# Altium PCB 200330 PRECHARGE R3.PcbDoc (part 1 of 3) (continued)
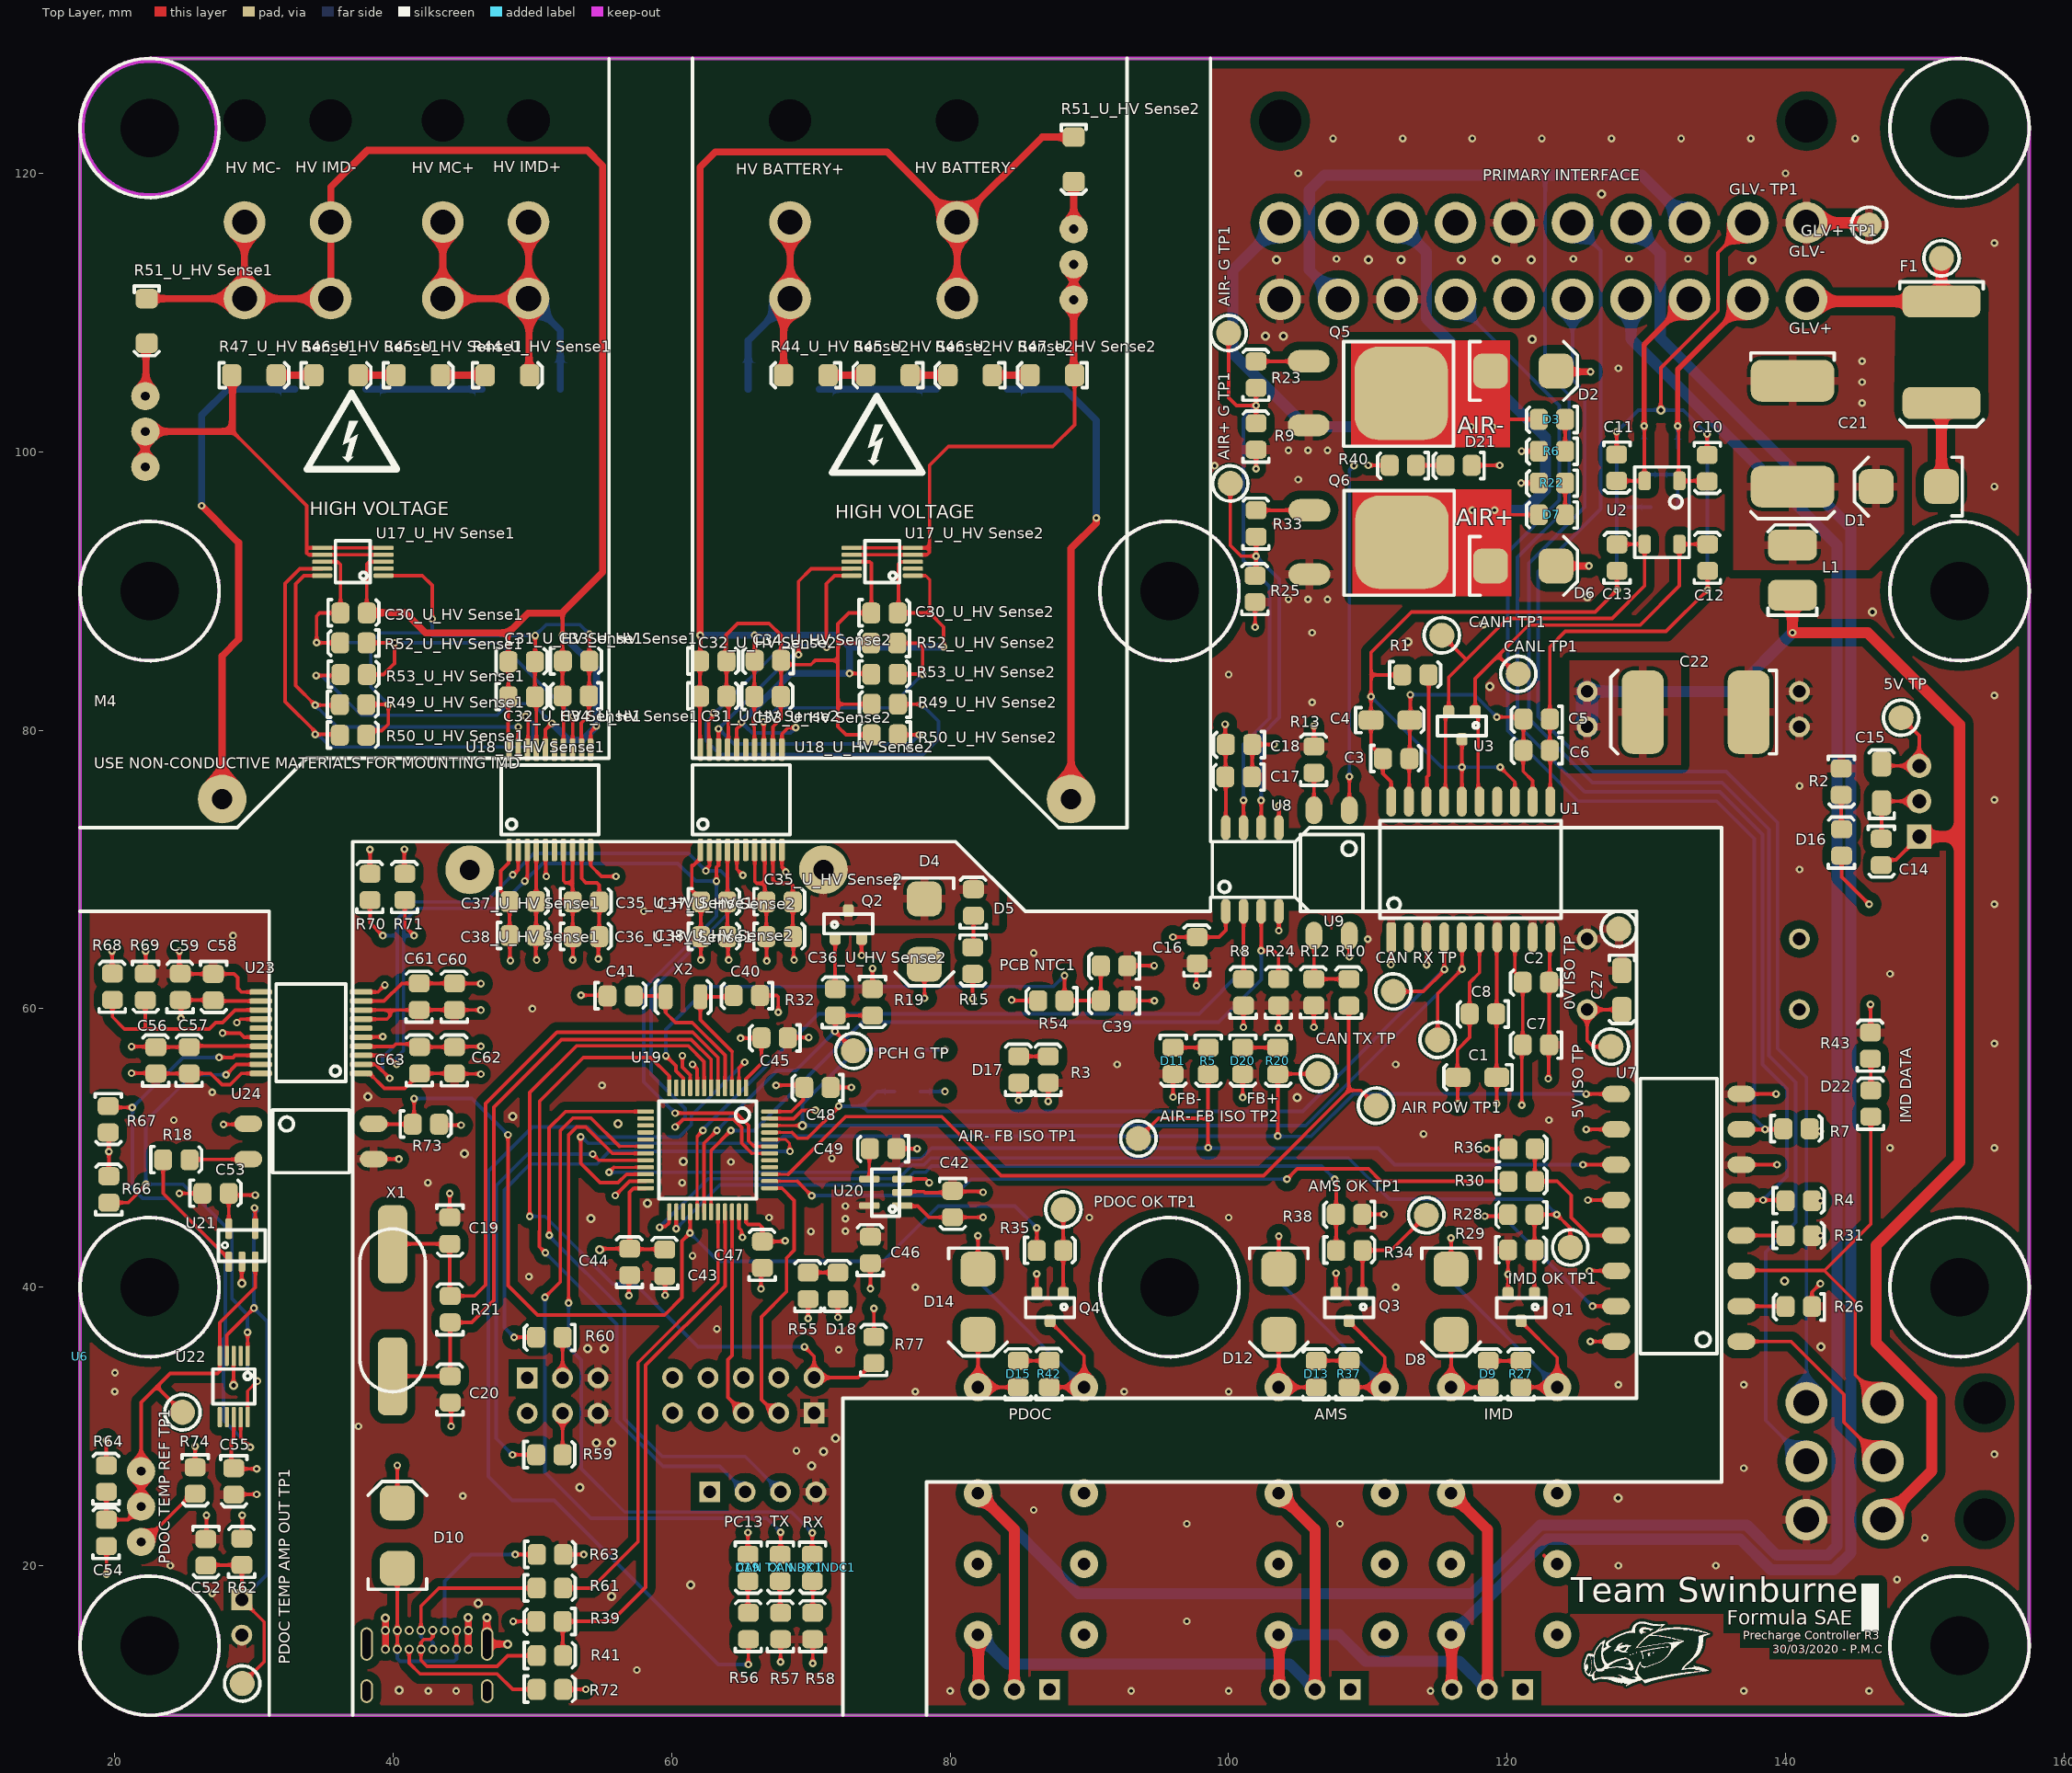
[diagram p0: Top Layer view]
## Classes and differential pairs
channel class "HV Sense": "U_HV Sense1" "U_HV Sense2"
component class "U_HV Sense2": "C30_U_HV Sense2" "C31_U_HV Sense2" "C32_U_HV Sense2" "C33_U_HV Sense2" "C34_U_HV Sense2" "C35_U_HV Sense2" "C36_U_HV Sense2" "C37_U_HV Sense2" "C38_U_HV Sense2" "R44_U_HV Sense2" "R45_U_HV Sense2" "R46_U_HV Sense2" "R47_U_HV Sense2" "R48_U_HV Sense2" "R49_U_HV Sense2" "R50_U_HV Sense2" "R51_U_HV Sense2" "R52_U_HV Sense2" "R53_U_HV Sense2" "U17_U_HV Sense2" "U18_U_HV Sense2"
component class "U_HV Sense1": "C30_U_HV Sense1" "C31_U_HV Sense1" "C32_U_HV Sense1" "C33_U_HV Sense1" "C34_U_HV Sense1" "C35_U_HV Sense1" "C36_U_HV Sense1" "C37_U_HV Sense1" "C38_U_HV Sense1" "R44_U_HV Sense1" "R45_U_HV Sense1" "R46_U_HV Sense1" "R47_U_HV Sense1" "R48_U_HV Sense1" "R49_U_HV Sense1" "R50_U_HV Sense1" "R51_U_HV Sense1" "R52_U_HV Sense1" "R53_U_HV Sense1" "U17_U_HV Sense1" "U18_U_HV Sense1"
component class U_PDOC: C52 C53 C54 C55 C56 C57 C58 C59 C60 C61 C62 C63 FTDI1 "PDOC NTC1" "PDOC TEMP AMP OUT TP1" "PDOC TEMP REF TP1" R18 R62 R64 R65 R66 R67 R68 R69 R73 R74 R81 RESET1 U21 U22 U23 U24
component class U_Microcontroller: BOOT1 C19 C20 C39 C40 C41 C42 C43 C44 C45 C46 C47 C48 C49 "CAN RX INDC1" "CAN TX INDC1" D10 D18 D19 P2 "PCB NTC1" R21 R39 R41 R54 R55 R56 R57 R58 R59 R60 R61 R63 R70 R71 R72 R75 R76 R77 R81 R82 R83 SERIAL1 STLINK1 U19 U20 X1 X2
component class "U_Safety Loops": "AMS Bypass1" "AMS OK TP1" D8 D9 D12 D13 D14 D15 D22 "IMD Bypass1" "IMD OK TP1" K1 K3 K4 "PDOC Bypass1" "PDOC OK TP1" Q1 Q3 Q4 R26 R27 R28 R29 R30 R31 R34 R35 R36 R37 R38 R42 R43 R81 R83 U7
component class U_Precharge: "AIR POW TP1" "AIR- FB ISO TP1" "AIR- FB ISO TP2" C16 C17 C18 D2 D3 D4 D5 D6 D7 D11 D20 D21 "PCH G TP" Q2 Q5 Q6 R4 R5 R6 R7 R8 R9 R10 R11 R12 R13 R14 R15 R16 R17 R19 R20 R22 R23 R24 R25 R32 R33 R40 U8 U9 U10
component class "U_Power Supply": "0V ISO TP" "5V ISO TP" "5V TP" C14 C15 C21 C22 C27 D1 D16 D17 F1 "GLV+ TP1" "GLV- TP1" L1 R2 R3 U4 U5
component class U_CAN: C1 C2 C3 C4 C5 C6 C7 C8 C9 C10 C11 C12 C13 "CAN RX TP" "CAN TERM R1" "CAN TERM R2" "CAN TX TP" "CANH TP1" "CANL TP1" R1 U1 U2 U3
component class "Top Level": "HV BATTERY+" "HV BATTERY+1" "HV BATTERY-" "HV BATTERY-1" "HV IMD+" "HV IMD+1" "HV IMD-" "HV IMD-1" "HV MC+" "HV MC+1" "HV MC-" "HV MC-1" "IMD INTERFACE1" P1 "PRIMARY INTERFACE" "PRIMARY INTERFACE1" U6
differential pair CANBUS: +CANH -CANL

## Components (designator, comment, footprint, x,y, rotation, side; value= is the part's Value field where it differs from the comment)
"0V ISO TP" "0mm" "SMD Test Point" 128.025,65.725 r90 top
"5V ISO TP" "0mm" "SMD Test Point" 127.457,57.277 r90 top
"5V TP" "0mm" "SMD Test Point" 148.3,80.9 r90 top
"AIR POW TP1" "0mm" "SMD Test Point" 110.592,53.035 r90 top
"AIR+ G TP1" "0mm" "SMD Test Point" 100.125,97.725 r90 top
"AIR- FB ISO TP1" "0mm" "SMD Test Point" 93.523,50.673 r90 top
"AIR- FB ISO TP2" "0mm" "SMD Test Point" 106.426,55.321 r90 top
"AIR- G TP1" "0mm" "SMD Test Point" 100,108.525 r90 top
"AMS Bypass1" "2.54mm" "TH 2.54mm Header 1x3" 108.742,11.1 r180 bottom
"AMS OK TP1" "0mm" "SMD Test Point" 114.198,45.161 r90 top
BOOT1 "2.54mm" "TH 2.54mm Header 2x3" 49.628,33.48 r0 bottom
C1 "10nF" 1206 116.662,55.075 r180 top
C2 "100nF" 0805 122.062,61.875 r180 top
C3 "100nF" 0805 112.049,77.987 r0 top
C4 "10nF" 1206 112.824,80.73 r0 top
C5 "10uF" 0805 122.112,80.775 r180 top
C6 "100nF" 0805 122.112,78.525 r180 top
C7 "10uF" 0805 122.062,57.375 r180 top
C8 "100nF" 0805 118.25,59.599 r180 top
C9 "22pF" 0805 131.3,96 r0 bottom
C10 "100pF" 0805 134.397,98.809 r270 top
C11 "100pF" 0805 127.897,98.847 r270 top
C12 "100pF" 0805 134.376,92.409 r90 top
C13 "100pF" 0805 127.876,92.409 r90 top
C14 "10uF" 0805 146.9,71.25 r270 top
C15 "22uF" 1206 146.9,77.375 r90 top
C16 "100nF" 0805 97.713,64.203 r90 top
C17 "100nF" 0805 100.701,76.625 r180 top
C18 "10uF" 0805 100.738,78.949 r180 top
C19 "22pF" 0805 44.09,44.043 r270 top
C20 "22pF" 0805 44.069,32.667 r90 top
C21 "68uF" 2924 140.5,101.35 r270 top
C22 "22uF" 2924 133.6,81.3 r180 top
C27 "22uF" 1206 128.245,60.144 r270 top
"C30_U_HV Sense1" "100nF" 0805 37.178,88.448 r0 top (schematic designator C30)
"C30_U_HV Sense2" "100nF" 0805 75.296,88.448 r0 top (schematic designator C30)
"C31_U_HV Sense1" "10nF" 0805 49.242,84.953 r0 top (schematic designator C31)
"C31_U_HV Sense2" "10nF" 0805 63,82.468 r0 top (schematic designator C31)
"C32_U_HV Sense1" "100nF" 0805 49.242,82.427 r0 top (schematic designator C32)
"C32_U_HV Sense2" "100nF" 0805 63,84.994 r0 top (schematic designator C32)
"C33_U_HV Sense1" "10uF" 0805 53.148,84.994 r0 top (schematic designator C33)
"C33_U_HV Sense2" "10uF" 0805 66.9,82.447 r0 top (schematic designator C33)
"C34_U_HV Sense1" "100nF" 0805 53.1,82.447 r180 top (schematic designator C34)
"C34_U_HV Sense2" "100nF" 0805 66.9,84.994 r180 top (schematic designator C34)
"C35_U_HV Sense1" "100nF" 0805 53.858,67.698 r0 top (schematic designator C35)
"C35_U_HV Sense2" "100nF" 0805 67.762,67.698 r0 top (schematic designator C35)
"C36_U_HV Sense1" "10uF" 0805 53.857,65.199 r0 top (schematic designator C36)
"C36_U_HV Sense2" "10uF" 0805 67.762,65.199 r0 top (schematic designator C36)
"C37_U_HV Sense1" "100nF" 0805 49.325,67.725 r0 top (schematic designator C37)
"C37_U_HV Sense2" "100nF" 0805 63.062,67.698 r0 top (schematic designator C37)
"C38_U_HV Sense1" "10nF" 0805 49.329,65.278 r0 top (schematic designator C38)
"C38_U_HV Sense2" "10nF" 0805 63.062,65.199 r0 top (schematic designator C38)
C39 "100nF" 0805 91.756,60.55 r180 top
C40 "22pF" 0805 65.387,60.92 r180 top
C41 "22pF" 0805 56.349,60.946 r0 top
C42 "1µF" 0805 80.2,45.958 r270 top
C43 "100nF" 0805 59.484,41.759 r90 top
C44 "1µF" 0805 56.958,41.821 r90 top
C45 "1µF" 0805 67.386,57.887 r180 top
C46 "100nF" 0805 74.248,42.682 r90 top
C47 "100nF" 0805 66.497,42.342 r90 top
C48 "100nF" 0805 70.458,54.321 r180 top
C49 "22uF" 0805 75.174,49.92 r180 top
C52 "100nF" 0805 26.568,20.949 r270 top
C53 "100nF" 0805 27.256,46.762 r0 top
C54 "100nF" 0805 19.374,22.362 r90 top
C55 "100nF" 0805 28.576,26.038 r270 top
C56 "10nF" 0805 22.93,56.303 r90 top
C57 "100nF" 0805 25.33,56.303 r90 top
C58 "10uF" 0805 27.108,61.535 r270 top
C59 "100nF" 0805 24.687,61.583 r90 top
C60 "100nF" 0805 44.379,60.881 r90 top
C61 "10uF" 0805 41.842,60.881 r90 top
C62 "100nF" 0805 44.379,56.309 r90 top
C63 "10nF" 0805 41.868,56.309 r90 top
"CAN RX INDC1" "Blue" "0805 LED" 70.129,19.823 r270 top
"CAN RX TP" "0mm" "SMD Test Point" 111.836,61.239 r90 top
"CAN TERM R1" "56R" 0805 129.871,99.347 r90 bottom
"CAN TERM R2" "56R" 0805 132.229,99.299 r270 bottom
"CAN TX INDC1" "Blue" "0805 LED" 67.819,19.823 r270 top
"CAN TX TP" "0mm" "SMD Test Point" 115.011,57.76 r90 top
"CANH TP1" "0mm" "SMD Test Point" 115.316,86.817 r0 top
"CANL TP1" "0mm" "SMD Test Point" 120.802,84.049 r0 top
D1 "SD560BTR" "SMB Diode" 150.95,97.5 r180 top
D2 "SD560BTR" "SMB Diode" 119.059,105.8 r0 top
D3 "Orange" "0805 LED" 123.209,102.3 r180 top
D4 "SD560BTR" "SMB Diode" 78.148,67.638 r270 top
D5 "Orange" "0805 LED" 81.648,67.638 r90 top
D6 "SD560BTR" "SMB Diode" 119.059,91.8 r0 top
D7 "Orange" "0805 LED" 123.209,95.45 r180 top
D8 "SD560BTR" "SMB Diode" 115.979,41.05 r270 top
D9 "Green" "0805 LED" 118.614,33.762 r90 top
D10 "SD560BTR" "SMB Diode" 40.3,20.05 r90 top
D11 "Orange" "0805 LED" 96.032,56.246 r270 top
D12 "SD560BTR" "SMB Diode" 103.607,41.05 r270 top
D13 "Green" "0805 LED" 106.264,33.762 r90 top
D14 "SD560BTR" "SMB Diode" 82,41.05 r270 top
D15 "Green" "0805 LED" 84.866,33.77 r90 top
D16 "Red" "0805 LED" 144,71.95 r90 top
D17 "Red" "0805 LED" 84.896,55.639 r90 top
D18 "Red" "0805 LED" 71.916,40.107 r90 top
D19 "Red" "0805 LED" 65.509,19.823 r270 top
D20 "Orange" "0805 LED" 101.036,56.246 r270 top
D21 "Green" "0805 LED" 116.5,99 r180 top
D22 "Orange" "0805 LED" 146.1,53.2 r90 top
F1 "0ZCF0100AF2A" 2920 151.2,110.8 r270 top
"GLV+ TP1" "0mm" "SMD Test Point" 151.2,113.9 r90 top
"GLV- TP1" "0mm" "SMD Test Point" 146,116.3 r90 top
"HV BATTERY+" "39300020" 39300020 68.507,116.5 r0 bottom locked
"HV BATTERY-" "39300020" 39300020 80.507,116.5 r0 bottom
"HV IMD+" "39300020" 39300020 49.724,116.5 r0 bottom locked
"HV IMD-" "39300020" 39300020 29.325,116.5 r0 bottom
"HV MC+" "39300020" 39300020 43.566,116.5 r0 bottom
"HV MC-" "39300020" 39300020 35.517,116.5 r0 bottom
"IMD Bypass1" "2.54mm" "TH 2.54mm Header 1x3" 121.127,11.1 r180 bottom
"IMD OK TP1" "0mm" "SMD Test Point" 124.536,42.85 r90 top
K1 "V23105A5475A201" "TI 2-DIL" 119.79,23.926 r270 bottom
K3 "V23105A5475A201" "TI 2-DIL" 107.405,23.926 r270 bottom
K4 "V23105A5475A201" "TI 2-DIL" 85.812,23.926 r270 bottom
L1 "12uH" 1812 140.5,91.5 r90 top
P1 "39300060" 39300060 147,23.3 r270 bottom locked
P2 "USB4085-GF-A" USB4085-GF-A 42.55,11.32 r180 bottom
"PCB NTC1" "10K (NTC) (B25/85 3430K)" 0805 91.756,63.05 r180 top
"PCH G TP" "0mm" "SMD Test Point" 73.05,56.972 r90 top
"PDOC Bypass1" "2.54mm" "TH 2.54mm Header 1x3" 87.149,11.1 r180 bottom
"PDOC NTC1" "2.54mm" "TH 2.54mm Header 1x2" 29.134,17.551 r270 bottom
"PDOC OK TP1" "0mm" "SMD Test Point" 88.125,45.575 r90 top
"PDOC TEMP AMP OUT TP1" "0mm" "SMD Test Point" 29.159,11.532 r90 top
"PDOC TEMP REF TP1" "0mm" "SMD Test Point" 24.867,31.013 r90 top
"PRIMARY INTERFACE" "39300200" 39300200 141.5,116.45 r0 bottom
Q1 "2N7002K" "ON SOT-23 MOSFET" 121.015,38.577 r180 top
Q2 "2N7002K" "ON SOT-23 MOSFET" 72.695,66.04 r0 top
Q3 "2N7002K" "ON SOT-23 MOSFET" 108.661,38.577 r180 top
Q4 "2N7002K" "ON SOT-23 MOSFET" 87.173,38.577 r180 top
Q5 "STD70N10F4" "STM TO-252 MOSFET" 105.75,101.9 r90 top
Q6 "STD70N10F4" "STM TO-252 MOSFET" 105.8,91.2 r90 top
R1 "0R" 0805 113.425,84 r0 top
R2 "680R" 0805 144.026,76.288 r270 top
R3 "510R" 0805 87.021,55.639 r90 top
R4 "1.5k" 0805 140.962,46.226 r0 top
R5 "1.5k" 0805 98.555,56.246 r270 top
R6 "1.5k" 0805 123.209,100.017 r180 top
R7 "1.5k" 0805 140.8,51.4 r0 top
R8 "20k" 0805 101.04,61.19 r90 top
R9 "20k" 0805 101.949,101.112 r90 top
R10 "680R" 0805 108.608,61.184 r90 top
R11 "1k" "B TO-263" 49.45,94.3 r0 bottom
R12 "20k" 0805 106.095,61.194 r90 top
R13 "1.5k" 0805 106.1,77.9 r90 top
R14 "1k" "B TO-263" 35.5,94.3 r0 bottom
R15 "1.5k" 0805 81.648,63.438 r270 top
R16 "1k" "B TO-263" 81.55,94.3 r0 bottom
R17 "1k" "B TO-263" 68.05,94.3 r0 bottom
R18 "680R" 0805 24.443,49.172 r0 top
R19 "20k" 0805 74.447,60.452 r270 top
R20 "1.5k" 0805 103.559,56.246 r270 top
R21 "10M" 0805 44.069,38.429 r90 top
R22 "1.5k" 0805 123.209,97.733 r180 top
R23 "10R" 0805 101.949,105.55 r90 top
R24 "20k" 0805 103.563,61.19 r90 top
R25 "20k" 0805 101.874,90.162 r90 top
R26 "1.5k" 0805 140.938,38.574 r180 top
R27 "680R" 0805 120.974,33.762 r90 top
R28 "680R" 0805 121.009,45.186 r180 top
R29 "20k" 0805 121.033,42.698 r0 top
R30 "680R" 0805 121.057,47.626 r0 top
R31 "1.5k" 0805 140.962,43.726 r0 top
R32 "10R" 0805 71.73,60.477 r90 top
R33 "10R" 0805 101.949,94.862 r90 top
R34 "10R" 0805 108.684,42.672 r0 top
R35 "10R" 0805 87.185,42.66 r0 top
R36 "20k" 0805 121.057,49.958 r0 top
R37 "680R" 0805 108.626,33.762 r90 top
R38 "20k" 0805 108.636,45.207 r180 top
R39 "1.5k" 0805 51.217,15.968 r180 top
R40 "1.5k" 0805 112.5,99 r180 top
R41 "20R" 0805 51.266,13.562 r0 top
R42 "680R" 0805 87.09,33.778 r90 top
R43 "1.5k" 0805 146.074,57.362 r90 top
"R44_U_HV Sense1" "330K" "VB 0204" 48.2,105.5 r0 top (schematic designator R44)
"R44_U_HV Sense2" "330K" "VB 0204" 69.64,105.5 r180 top (schematic designator R44)
"R45_U_HV Sense1" "330K" "VB 0204" 41.8,105.5 r0 top (schematic designator R45)
"R45_U_HV Sense2" "330K" "VB 0204" 75.54,105.5 r180 top (schematic designator R45)
"R46_U_HV Sense1" "330K" "VB 0204" 35.9,105.5 r0 top (schematic designator R46)
"R46_U_HV Sense2" "330K" "VB 0204" 81.44,105.5 r180 top (schematic designator R46)
"R47_U_HV Sense1" "330K" "VB 0204" 30,105.5 r0 top (schematic designator R47)
"R47_U_HV Sense2" "330K" "VB 0204" 87.34,105.5 r180 top (schematic designator R47)
"R48_U_HV Sense1" "10K (Var)" "B 3296" 21.641,101.374 r270 bottom (schematic designator R48)
"R48_U_HV Sense2" "10K (Var)" "B 3296" 88.316,113.374 r270 bottom (schematic designator R48)
"R49_U_HV Sense1" "5.6k" 0805 37.13,81.869 r0 top (schematic designator R49)
"R49_U_HV Sense2" "5.6k" 0805 75.296,81.848 r180 top (schematic designator R49)
"R50_U_HV Sense1" "5.6k" 0805 37.13,79.669 r0 top (schematic designator R50)
"R50_U_HV Sense2" "5.6k" 0805 75.296,79.648 r180 top (schematic designator R50)
"R51_U_HV Sense1" "10K" "VB 0204" 22.3,109.4 r270 top (schematic designator R51)
"R51_U_HV Sense2" "10K" "VB 0204" 88.875,121 r270 top (schematic designator R51)
"R52_U_HV Sense1" "30k" 0805 37.13,86.248 r180 top (schematic designator R52)
"R52_U_HV Sense2" "30k" 0805 75.247,86.227 r180 top (schematic designator R52)
"R53_U_HV Sense1" "10k" 0805 37.178,84.027 r0 top (schematic designator R53)
"R53_U_HV Sense2" "10k" 0805 75.296,84.048 r0 top (schematic designator R53)
R54 "10k" 0805 87.256,60.55 r180 top
R55 "510R" 0805 69.774,40.107 r90 top
R56 "510R" 0805 65.488,15.673 r90 top
R57 "680R" 0805 67.798,15.673 r90 top
R58 "680R" 0805 70.108,15.673 r90 top
R59 "10k" 0805 51.237,27.987 r0 top
R60 "10k" 0805 51.212,36.375 r180 top
R61 "20R" 0805 51.266,18.415 r0 top
R62 "2k" 0805 29.108,21.003 r90 top
R63 "5.1k" 0805 51.275,20.825 r0 top
R64 "10k" 0805 19.374,26.262 r90 top
R65 "10K (Var)" "B 3296" 21.341,24.154 r270 bottom
R66 "5.6k" 0805 19.558,47.031 r90 top
R67 "5.6k" 0805 19.558,52.045 r270 top
R68 "30k" 0805 19.812,61.595 r90 top
R69 "10k" 0805 22.225,61.547 r270 top
R70 "5.1k" 0805 38.311,68.758 r90 top
R71 "5.1k" 0805 40.811,68.758 r90 top
R72 "5.1k" 0805 51.266,11.136 r0 top
R73 "3k" 0805 42.362,51.726 r0 top
R74 "10k" 0805 25.8,26.1 r270 top
R75 "5.1k" 0805 76.95,54.029 r0 bottom
R76 "5.1k" 0805 76.95,57.029 r0 bottom
R77 "10k" 0805 74.5,35.5 r90 top
SERIAL1 "2.54mm" "TH 2.54mm Header 1x4" 62.738,25.298 r0 bottom
STLINK1 "2.54mm" "TH 2.54mm Header 2x5" 70.231,30.963 r180 bottom
U1 "ADM3053" "AD SOIC-W 20" 117.387,69.999 r0 top
U2 "B82787C0104H002" "TDK 4-PC Pad" 132.376,97.909 r270 top
U3 "NUP2105L" "ON SOT-23" 116.759,80.35 r180 top
U4 "R-78C5.0-1.0" "RECOM 3-SIP" 149.6,72.36 r90 bottom
U5 "JTC0424S05" "24-DIP Module, 7 Leads" 133.37,71.36 r270 bottom locked
U6 "BENDER IMD IR155" "BENDER IMD IR155" 17.5,35 r0 top locked
U7 "LTV-847S-TA1" "ON 16-SMD" 132.08,44.983 r90 top
U8 "ADUM3221ARZ" "AD 8-SOIC" 101.705,70 r0 top
U9 "LTV-817S-TA1" "ON 4-SMD" 107.4,69.5 r270 top
U10 "3350-1275-056" "CI SPST" 58.2,69.975 r180 bottom locked
"U17_U_HV Sense1" "ADS1115" "TI 10-VSSOP" 37.102,92.1 r180 top (schematic designator U17)
"U17_U_HV Sense2" "ADS1115" "TI 10-VSSOP" 75.125,92.1 r180 top (schematic designator U17)
"U18_U_HV Sense1" "ADM3260" "AD 20-SSOP" 51.257,75 r0 top (schematic designator U18)
"U18_U_HV Sense2" "ADM3260" "AD 20-SSOP" 64.995,75.006 r0 top (schematic designator U18)
U19 "STM32F103C8T6" "STM 48-LQFP" 62.584,49.859 r180 top
U20 "RT9193-33GB" "RICHTEK SOT-23-5" 75.563,46.858 r90 top
U21 "TS391ILT" "ON SOT-23-5" 27.569,40.859 r0 top
U22 "ADS1115" "TI 10-VSSOP" 28.55,32.868 r270 top
U23 "ADM3260" "AD 20-SSOP" 34.1,58.275 r90 top
U24 "LTV-817S-TA1" "ON 4-SMD" 34.35,50.47 r0 top
X1 "Value" "Abracon HC-49/US" 39.958,38.335 r90 top
X2 "32.768kHz" "EPSON 2-SMD" 60.813,60.858 r180 top

## Footprints (in the part's own frame and the unit in brackets; to place one, negate y for a bottom-side part, rotate by r counter-clockwise, add the part's x,y. Pads: shape width x height; smd on the part's side, far side on the other; paste and mask are expansions set on the pad)
"24-DIP Module, 7 Leads" [mm]
  round 1.5 hole 0.9: 2(-11.43,-7.62) 3(-8.89,-7.62) 9(6.35,-7.62) 11(11.43,-7.62) 14(11.43,7.62) 16(6.35,7.62) 22(-8.89,7.62) 23(-11.43,7.62)
  silkscreen extent -15.88,-10.16 15.88,10.16, body extent -15.88,-10.16 15.87,10.16, height 10.41
0805 [mm]
  rrect50% 1.3x1.5 smd: 1(-0.962,-0.026) 2(0.938,-0.026)
  silkscreen extent -1.85,-0.95 1.8,0.93, body extent -1,-0.65 1,0.66, height 0.73
"0805 LED" [mm]
  rrect50% 1.3x1.5 smd: A(-0.962,-0.026) K(0.938,-0.026)
  silkscreen extent -1.85,-0.95 1.8,0.93, body extent -1.1,-0.62 0.9,0.62, height 1
1206 [mm]
  rrect50% 1.8x1.4 smd: 1(-2.6,0) 2(0.2,0)
  silkscreen extent -3.7,-0.9 1.2,0.9, body extent -2.9,-0.9 0.5,0.9, height 1.85
1812 [mm]
  rrect50% 2.2x3.5 smd: 1(-1.8,0) 2(1.8,0)
  silkscreen extent -3.25,-1.75 3.25,1.75, body extent -2.25,-1.6 2.25,1.6, height 2.5
2920 [mm]
  rrect50% 2.3x5.6 smd: 1(0,0) 2(7.3,0)
  silkscreen extent -1.4,-3 9,3, body extent -0.34,-2.81 7.64,2.81, height 1.14
2924 [mm]
  rrect50% 3x6 smd: 1(-3.75,0) 2(3.85,0)
  silkscreen extent -5.75,-3 6.15,3, body extent -3.94,-2.81 4.04,2.81, height 1.14
39300020 [mm]
  round 3 hole 1.8: 1(0,0) 2(0,5.5)
  round 1.524 hole 3.05: ""(0,-7.3)
  body extent -2.7,-13.97 3.1,5.97, height 11.4
39300060 [mm]
  round 3 hole 1.85: 1(0,0) 2(0,5.5) 3(-4.2,0) 4(-4.2,5.5) 5(-8.4,0) 6(-8.4,5.5)
  round 1.524 hole 3.05: ""(-8.4,-7.3) ""(0,-7.3)
  body extent -11.1,-13.87 3.1,6.07, height 11.4
39300200 [mm]
  round 3 hole 1.85: 1(0,0) 2(0,5.5) 3(-4.2,0) 4(-4.2,5.5) 5(-8.4,0) 6(-8.4,5.5) 7(-12.6,0) 8(-12.6,5.5) 9(-16.8,0) 10(-16.8,5.5) 11(-21,0) 12(-21,5.5) 13(-25.2,0) 14(-25.2,5.5) 15(-29.4,0) 16(-29.4,5.5) 17(-33.6,0) 18(-33.6,5.5) 19(-37.8,0) 20(-37.8,5.5)
  round 1.524 hole 3.05: ""(-37.8,-7.3) ""(0,-7.3)
  body extent -40.5,-13.9 3.1,6.03, height 11.4
"Abracon HC-49/US" [mm]
  rrect50% 5.6x2.1 smd: 1(-4.75,0) 2(4.75,0)
  silkscreen extent -5.85,-2.35 5.85,2.35, body extent -6.35,-2.35 6.35,2.35, height 4.06
"AD 8-SOIC" [mm]
  oval 0.7x1.8 smd: 1(-1.905,-3) 2(-0.635,-3) 3(0.635,-3) 4(1.905,-3) 5(1.905,3) 6(0.635,3) 7(-0.635,3) 8(-1.905,3)
  silkscreen extent -2.87,-2 3.05,2, body extent -2.5,-3.1 2.5,3.1, height 1.76
"AD 20-SSOP" [mm]
  rrect50% 0.4x1.6 smd: 1(-2.925,-3.6) 2(-2.275,-3.6) 3(-1.625,-3.6) 4(-0.975,-3.6) 5(-0.325,-3.6) 6(0.325,-3.6) 7(0.975,-3.6) 8(1.625,-3.6) 9(2.275,-3.6) 10(2.925,-3.6) 11(2.925,3.6) 12(2.275,3.6) 13(1.625,3.6) 14(0.975,3.6) 15(0.325,3.6) 16(-0.325,3.6) 17(-0.975,3.6) 18(-1.625,3.6) 19(-2.275,3.6) 20(-2.925,3.6)
  silkscreen extent -3.5,-2.5 3.5,2.5, body extent -3.64,-3.9 3.56,3.9, height 1.2
"AD SOIC-W 20" [mil]
  rrect50% 28x85 smd: 1(-225,-192.02)
  oval 28x85 smd: 2(-175,-192.02) 3(-125,-192.02) 4(-75,-192.02) 5(-25,-192.02) 6(25,-192.02) 7(75,-192.02) 8(125,-192.02) 9(175,-192.02) 10(225,-192.02) 11(225,192.02) 12(175,191.98) 13(125,191.98) 14(75,191.98) 15(25,191.98) 16(-25,191.98) 17(-75,191.98) 18(-125,191.98) 19(-175,191.98) 20(-225,191.98)
  silkscreen extent -257,-138 256,138, body extent -260,-210 260,210, height 105
"B 3296" [mil]
  round 80 hole 25.2: 1(-103.39,-22) 2(-3.39,-22) 3(96.61,-22)
  silkscreen extent -193,-97 187,143, body extent -191,-97 184,143, height 455
"B TO-263" [mm]
  rrect50% 2x3.8 smd: 1(-2.55,-10.2) 2(2.55,-10.2)
  rrect50% 12.7x11.4 smd: ""(0,0)
  silkscreen extent -6.8,-10.56 6.75,6.1, body extent -5.19,-11.02 5.45,4.83, height 4.8
"BENDER IMD IR155" [mm]
  body extent 0,0 141.1,60
"CI SPST" [mm]
  round 3.5 hole 1.45: 1(30.48,5.08) 2(12.7,0) 3(-12.7,0) 4(-30.48,5.08)
  silkscreen extent -38.73,-8.26 38.73,13.97, body extent -38.1,-4.45 38.1,13.34, height 20.57
"EPSON 2-SMD" [mm]
  rrect50% 1x1.8 smd: 1(-1.25,0) 2(1.25,0)
  silkscreen extent -2,-1.2 2,1.2, body extent -1.5,-1 1.5,1, height 1
"ON 4-SMD" [mm] "SOP, 4-Leads, Body 3.85x4.4mm, Pitch 2.54mm, IPC Medium Density"
  oval 2x1.2 smd: 1(-4.75,1.27) 2(-4.75,-1.27) 3(4.25,-1.27) 4(4.25,1.27)
  silkscreen extent -3,-2.25 2.5,2.25, body extent -5.33,-2.3 4.83,2.3, height 4.6
"ON 16-SMD" [mm]
  oval 1.2x2 smd: 1(-8.89,-4.75) 2(-6.35,-4.75) 3(-3.81,-4.75) 4(-1.27,-4.75) 5(1.27,-4.75) 6(3.81,-4.75) 7(6.35,-4.75) 8(8.89,-4.75) 9(8.89,4.25) 10(6.35,4.25) 11(3.81,4.25) 12(1.27,4.25) 13(-1.27,4.25) 14(-3.81,4.25) 15(-6.35,4.25) 16(-8.89,4.25)
  silkscreen extent -9.75,-3 10,2.5, body extent -10,-5.33 9.84,4.83, height 4.6
"ON SOT-23" [mm] "NUP2105L"
  rrect50% 0.8x0.9 smd: 1(-0.95,-1) 2(0.95,-1) 3(0,1)
  silkscreen extent -1.75,-0.65 1.75,0.75, body extent -1.5,-1.27 1.5,1.28, height 1
"ON SOT-23 MOSFET" [mm] "NUP2105L"
  rrect50% 0.8x0.9 smd: D(0,1) G(-0.95,-1) S(0.95,-1)
  silkscreen extent -1.75,-0.65 1.75,0.75, body extent -1.5,-1.27 1.5,1.28, height 1
"ON SOT-23-5" [mil]
  rrect50% 19x58 smd: 1(24.61,38.39) 2(62.01,38.39) 3(99.41,38.39) 4(99.41,131.39) 5(24.61,131.39)
  silkscreen extent -5,39 128,128, body extent 2,27 122,145, height 57
"RECOM 3-SIP" [mm] "12 to 42 Vdc In, 9 Vdc Out"
  rect 1.75x1.75 hole 1: 1(0,0)
  round 1.75 hole 1: 2(2.54,0) 3(5.08,0)
  silkscreen extent -3.5,-2 8.5,6.5, body extent -3.26,-2.02 8.34,6.48, height 11.41
"RICHTEK SOT-23-5" [mil]
  rrect50% 19x58 smd: 1(-39.37,-39.37) 2(-1.97,-39.37) 3(35.43,-39.37) 4(35.43,53.63) 5(-39.37,53.63)
  silkscreen extent -69,-31 64,46, body extent -62,-51 58,67, height 57
"SMB Diode" [mm]
  rrect50% 2.5x2.5 smd: A(-0.25,0) K(4.45,0)
  silkscreen extent -1.75,-2.1 6,2.1, body extent -0.69,-1.97 4.9,1.97, height 2.5
"SMD Test Point" [mm]
  round 1.8 smd: 1(0,0)
  silkscreen extent -1.27,-1.27 1.27,1.27
"STM 48-LQFP" [mm]
  rrect50% 0.3x1.2 smd mask+0.05: 1(-2.75,-4.45) 2(-2.25,-4.45) 3(-1.75,-4.45) 4(-1.25,-4.45) 5(-0.75,-4.45) 6(-0.25,-4.45) 7(0.25,-4.45) 8(0.75,-4.45) 9(1.25,-4.45) 10(1.75,-4.45) 11(2.25,-4.45) 12(2.75,-4.45) 25(2.75,4.45) 26(2.25,4.45) 27(1.75,4.45) 28(1.25,4.45) 29(0.75,4.45) 30(0.25,4.45) 31(-0.25,4.45) 32(-0.75,4.45) 33(-1.25,4.45) 34(-1.75,4.45) 35(-2.25,4.45) 36(-2.75,4.45)
  rrect50% 1.2x0.3 smd mask+0.05: 13(4.45,-2.75) 14(4.45,-2.25) 15(4.45,-1.75) 16(4.45,-1.25) 17(4.45,-0.75) 18(4.45,-0.25) 19(4.45,0.25) 20(4.45,0.75) 21(4.45,1.25) 22(4.45,1.75) 23(4.45,2.25) 24(4.45,2.75) 37(-4.45,2.75) 38(-4.45,2.25) 39(-4.45,1.75) 40(-4.45,1.25) 41(-4.45,0.75) 42(-4.45,0.25) 43(-4.45,-0.25) 44(-4.45,-0.75) 45(-4.45,-1.25) 46(-4.45,-1.75) 47(-4.45,-2.25) 48(-4.45,-2.75)
  silkscreen extent -3.5,-3.5 3.5,3.5, body extent -4.6,-4.6 4.6,4.6, height 1.6
"STM TO-252 MOSFET" [mm]
  rrect50% 6.7x6.7 smd: D(2.3,-6.65)
  oval 1.6x3 smd: G(4.6,0) S(0,0)
  silkscreen extent -1.5,-10.4 6,-2.5, body extent -1.08,-9.67 5.64,0.75, height 2.39
"TDK 4-PC Pad" [mm]
  rrect50% 1.35x0.9 smd: 1(0,0) 2(0,-2.5) 3(4.55,-2.5) 4(4.55,0)
  silkscreen extent -1,-3.2 5.5,0.7, body extent -0.02,-2.82 4.48,0.38, height 2.8
"TH 2.54mm Header 1x2" [mm]
  rect 1.5x1.5 hole 0.9: 1(0,0)
  round 1.5 hole 0.9: 2(2.54,0)
  silkscreen extent -1.27,-1.27 3.81,1.27
"TH 2.54mm Header 1x3" [mm]
  rect 1.5x1.5 hole 0.9: 1(0,0)
  round 1.5 hole 0.9: 2(2.54,0) 3(5.08,0)
  silkscreen extent -1.27,-1.27 6.35,1.27
"TH 2.54mm Header 1x4" [mm]
  rect 1.5x1.5 hole 0.9: 1(0,0)
  round 1.5 hole 0.9: 2(2.54,0) 3(5.08,0) 4(7.62,0)
  silkscreen extent -1.27,-1.27 8.89,1.27
"TH 2.54mm Header 2x3" [mm]
  rect 1.5x1.5 hole 0.9: 1(0,0)
  round 1.5 hole 0.9: 2(0,2.54) 3(2.54,0) 4(2.54,2.54) 5(5.08,0) 6(5.08,2.54)
  silkscreen extent -1.27,-1.27 6.35,3.81
"TH 2.54mm Header 2x5" [mm]
  rect 1.5x1.5 hole 0.9: 1(0,0)
  round 1.5 hole 0.9: 2(0,2.54) 3(2.54,0) 4(2.54,2.54) 5(5.08,0) 6(5.08,2.54) 7(7.62,0) 8(7.62,2.54) 9(10.16,0) 10(10.16,2.54)
  silkscreen extent -1.27,-1.27 11.43,3.81
"TI 2-DIL" [mil]
  round 80 hole 35.43: 1(-350,-150) 4(-50,-150) 6(150,-150) 8(350,-150) 9(350,150) 11(150,150) 13(-50,150) 16(-350,150)
  silkscreen extent -400,-200 400,200, body extent -398,-197 398,197, height 450
"TI 10-VSSOP" [mm]
  rrect50% 1.45x0.3 smd mask+0.05: 1(-2.2,1) 2(-2.2,0.5) 3(-2.2,0) 4(-2.2,-0.5) 5(-2.2,-1) 6(2.2,-1) 7(2.2,-0.5) 8(2.2,0) 9(2.2,0.5) 10(2.2,1)
  silkscreen extent -1.25,-1.5 1.25,1.5, body extent -2.45,-1.5 2.45,1.5, height 1.12
USB4085-GF-A [mm]
  round 0.65 hole 0.4: A1(-2.848,4.025) A4(-1.998,4.025) A5(-1.148,4.025) A6(-0.298,4.025) A7(0.552,4.025) A8(1.402,4.025) A9(2.252,4.025) A12(3.102,4.025) B1(3.102,2.675) B4(2.252,2.675) B5(1.402,2.675) B6(0.552,2.675) B7(-0.298,2.675) B8(-1.148,2.675) B9(-1.998,2.675) B12(-2.848,2.675)
  oval 0.9x2.4 hole 0.6 slot 2.1 at 90 deg: P1(-4.198,3.045) P2(4.452,3.045)
  oval 0.9x1.7 hole 0.6 slot 1.4 at 90 deg: P3(4.452,-0.335) P4(-4.198,-0.335)
  silkscreen extent -4.35,-2.07 4.6,4.58, body extent -4.39,-4.56 4.64,4.61, height 3.46
"VB 0204" [mm]
  rrect50% 1.4x1.6 smd: 1(-1.6,0) 2(1.6,0)
  silkscreen extent -2.5,-0.9 2.5,0.9, body extent -1.8,-0.7 1.8,0.7, height 1.4

## Part data
"0V ISO TP" "5V ISO TP" "5V TP" "AIR POW TP1" "AIR+ G TP1" "AIR- FB ISO TP1" "AIR- FB ISO TP2" "AIR- G TP1" "AMS OK TP1" "CAN RX TP" "CAN TX TP" "CANH TP1" "CANL TP1" "GLV+ TP1" "GLV- TP1" "IMD OK TP1" "PCH G TP" "PDOC OK TP1" "PDOC TEMP AMP OUT TP1" "PDOC TEMP REF TP1": library part "SMD Test Point", Angle=0, Contact=NA, Flange=No, Part Number="SMD Test Point", Pitch=0mm, Positions=1, Row Spacing=0
"AMS Bypass1" "IMD Bypass1" "PDOC Bypass1": library part "TH 2.54mm Header 1x3", Angle=0, Contact=NA, Flange=No, Part Number="TH 2.54mm Header 1x3", Pitch=2.54mm, Positions=3, Row Spacing=2.54mm
BOOT1: library part "TH 2.54mm Header 2x3", Angle=0, Contact=NA, Flange=No, Part Number="TH 2.54mm Header 2x3", Pitch=2.54mm, Positions=6, Row Spacing=2.54mm
C1 C4: library part GCM3195C2A103JA16D, Digikey Part Number=490-4978-2-ND, Manufacturer=muRata, Rated Voltage=100V, Tolerance=5%, Material=Ceramic, Part Number=GCM3195C2A103JA16D
C2 C3 C6 C8 C16 C17 "C30_U_HV Sense1" "C30_U_HV Sense2" "C32_U_HV Sense1" "C32_U_HV Sense2" "C34_U_HV Sense1" "C34_U_HV Sense2" "C35_U_HV Sense1" "C35_U_HV Sense2" "C37_U_HV Sense1" "C37_U_HV Sense2" C43 C46 C47 C48 C52 C53 C54 C55 C57 C59 C60 C62: library part GCM21BR71H104KA37L, Digikey Part Number=490-6064-1-ND, Manufacturer=muRata, Rated Voltage=50V, Tolerance=±10%, Material=X7R, Part Number=GCM21BR71H104KA37L
C5 C7 C14 C18 "C33_U_HV Sense1" "C33_U_HV Sense2" "C36_U_HV Sense1" "C36_U_HV Sense2" C58 C61: library part GRM21BR6YA106KE43L, Digikey Part Number=490-10514-6-ND, Manufacturer=muRata, Rated Voltage=50V, Tolerance=10%, Material=X5R, Part Number=GRM21BR6YA106KE43L
C9 C19 C20 C40 C41: library part GRM21A5C2E220JW01D, Digikey Part Number=490-5534-1-ND, Manufacturer=muRata, Rated Voltage=250V, Tolerance=±5%, Material="C0G, NP0", Part Number=GRM21A5C2E220JW01D
C10 C11 C12 C13: library part GCM2165C1H101JA16D, Digikey Part Number=490-8031-1-ND, Manufacturer=muRata, Rated Voltage=50V, Tolerance=±5%, Material="C0G, NP0", Part Number=GCM2165C1H101JA16D
C15 C27: library part CC1206MKX5R7BB226, Digikey Part Number=311-1997-2-ND, Manufacturer=YAGEO, Rated Voltage=16V, Tolerance=20%, Material=Ceramic, Part Number=CC1206MKX5R7BB226
C21: library part TAJV686K035RNJ, Digikey Part Number=478-13135-1-ND, Manufacturer="AVX Corporation", Rated Voltage=35V, Tolerance=10%, Material=Tantalum, Part Number=TAJV686K035RNJ
C22: library part TAJV226K050RNJ, Digikey Part Number=478-5811-1-ND, Manufacturer="AVX Corporation", Rated Voltage=50V, Tolerance=10%, Material=Tantalum, Part Number=TAJV226K050RNJ
"C31_U_HV Sense1" "C31_U_HV Sense2" "C38_U_HV Sense1" "C38_U_HV Sense2" C56 C63: library part GCM2195C1H103JA16D, Digikey Part Number=490-4783-1-ND, Manufacturer=muRata, Rated Voltage=50V, Tolerance=±5%, Material="C0G, NP0", Part Number=GCM2195C1H103JA16D
C39: library part GCM21BR71E104KA37L, Manufacturer=muRata, Rated Voltage=25V, Tolerance=10%, Material=X7R, Part Number=GCM21BR71E104KA37L
C42 C44 C45: library part GCM21BR71H105KA03L, Digikey Part Number=490-10675-1-ND, Manufacturer=muRata, Rated Voltage=50V, Tolerance=±10%, Material=X7R, Part Number=GCM21BR71H105KA03L
C49: library part GRM21BR61A226ME51L, Digikey Part Number=490-10511-1-ND, Manufacturer=muRata, Rated Voltage=10V, Tolerance=20%, Material=X5R, Part Number=GRM21BR61A226ME51L
"CAN RX INDC1" "CAN TX INDC1": library part SML-MN2BCTT86C, "LED BLUE CLEAR 2012 SMD", Digikey Part Number=846-1207-1-ND, Manufacturer="ROHM Semiconductor", Colour=Blue, Digikey Link=https://www.digikey.com/product-detail/en/rohm-semiconductor/SMLMN2BCTT86C/846-1207-1-ND/6057239, Part Number=SML-MN2BCTT86C
"CAN TERM R1" "CAN TERM R2": library part RC0805FR0756RL, Digikey Part Number=311-56.0CRCT-ND, Manufacturer=YAGEO, Rated Voltage=0.125W, Tolerance=0.01, Material=FR-07, Part Number=RC0805FR0756RL
D1 D2 D4 D6 D8 D10 D12 D14: "1.2V_F 600V 5A SMB", Digikey Part Number=1655-1530-2-ND, Manufacturer="SMC Diode Solutions", Digikey Link=https://www.digikey.com/product-detail/en/smc-diode-solutions/SD560BTR/1655-1530-2-ND/6022620, Part Number=SD560BTR
D3 D5 D7 D11 D20 D22: library part SML-211DTT86, "Orange LED Indication - Discrete 1.75V 0805 (2012 Metric)", Digikey Part Number=511-1291-1-ND, Manufacturer="ROHM Semiconductor", Colour=Orange, Digikey Link=https://www.digikey.com/product-detail/en/rohm-semiconductor/SML-211DTT86/511-1291-1-ND/637104, Part Number=SML-211DTT86
D9 D13 D15 D21: library part SML-210FTT86, "Green LED Indication - Discrete 1.75V 0805 (2012 Metric)", Digikey Part Number=511-1285-1-ND, Manufacturer="ROHM Semiconductor", Colour=Green, Digikey Link=https://www.digikey.com/product-detail/en/rohm-semiconductor/SML-210FTT86/511-1285-1-ND/637098, Part Number=SML-210FTT86
D16 D17 D18 D19: library part SML-210LTT86, "Red LED Indication - Discrete 1.75V 0805 (2012 Metric)", Digikey Part Number=511-1286-1-ND, Manufacturer="ROHM Semiconductor", Colour=Red, Digikey Link=https://www.digikey.com/product-detail/en/rohm-semiconductor/SML-210LTT86/511-1286-1-ND/637099, Part Number=SML-210LTT86
F1: "PTC RESET FUSE 60V 1A 292", Digikey Part Number=507-2070-1-ND, Manufacturer="Littelfuse Inc.", Digikey Link=https://www.digikey.com/product-detail/en/bel-fuse-inc/0ZCF0100AF2A/507-2070-1-ND/6210547, Part Number=0ZCF0100AF2A
"HV BATTERY+" "HV BATTERY-" "HV IMD+" "HV IMD-" "HV MC+" "HV MC-": Digikey Part Number=WM21351-ND, Angle=90, Contact=Tin, Flange=No, Part Number=39300020, Pitch=4.2mm, Positions=2, Row Spacing=5.5mm
K1 K3 K4: "5V DPDT Relay 3A 220VDC", Digikey Part Number=PB383-ND, Manufacturer=Axicom, Digikey Link=https://www.digikey.com/products/en?mpart=V23105A5001A201&v=41, Part Number=V23105A5475A201
L1: library part RLS-126, Digikey Part Number=945-3429-ND, Manufacturer=Recom, Rated Current=800mA, Tolerance=0.2, Impedence=230mOhm, Inductance=12uH, Material=Wirewound, Part Number=RLS-126
P1: Digikey Part Number=WM21353-ND, Angle=90, Contact=Tin, Flange=No, Part Number=39300060, Pitch=4.2mm, Positions=6, Row Spacing=5.5mm
P2: "USB - C (Type - C) USB 2.0 Receptacle Connector 16 Position Through Hole, Right Angle", Digikey Part Number=2073-USB4085-GF-ACT-ND, Angle=90, Digikey Link=https://www.digikey.ee/product-detail/en/gct/USB4085-GF-A/2073-USB4085-GF-ACT-ND/9859733, Part Number=USB4085-GF-A
"PCB NTC1": library part NTCS0805E3103FLT, Digikey Part Number=BC2733CT-ND, Manufacturer="Vishay Beyschlag", Rated Voltage=210mW, Tolerance=0.01, Part Number=NTCS0805E3103FLT
"PDOC NTC1": library part "TH 2.54mm Header 1x2", Angle=0, Contact=NA, Flange=No, Part Number="TH 2.54mm Header 1x2", Pitch=2.54mm, Positions=2, Row Spacing=2.54mm
"PRIMARY INTERFACE": Digikey Part Number=WM21360-ND, Angle=90, Contact=Tin, Flange=No, Part Number=39300200, Pitch=4.2mm, Positions=20, Row Spacing=5.5mm
Q1 Q2 Q3 Q4: "60V 380mA, NFET MOSTFET (Small Signal)", Digikey Part Number=2N7002KCT-ND, Manufacturer="ON Semiconductor", Digikey Link=https://www.digikey.com/product-detail/en/on-semiconductor/2N7002K/2N7002KCT-ND/2060375, LatestRevisionDate=29-May-2009, LatestRevisionNote="IPC-7351 Footprint Added.", PackageDescription="4-Pin SOT-343 Package 1.3 mm Pitch, 2.1 mm Lead Span", PackageReference=SOT-343, PackageVersion=Sep-2000, Part Number=2N7002K, Published=24-Mar-1999, Publisher="Altium Limited", Qty=30
Q5 Q6: "N-Channel 100V 60A (Tc) 125W (Tc) Surface Mount DPAK", Digikey Part Number=497-8806-2-ND, Manufacturer=STMicroelectronics, Digikey Link=https://www.digikey.com/product-detail/en/stmicroelectronics/STD70N10F4/497-8806-2-ND/2035599, LatestRevisionDate=29-May-2009, LatestRevisionNote="IPC-7351 Footprint Added.", PackageDescription="4-Pin SOT-343 Package 1.3 mm Pitch, 2.1 mm Lead Span", PackageReference=SOT-343, PackageVersion=Sep-2000, Part Number=STD70N10F4, Published=24-Mar-1999, Publisher="Altium Limited"
R1: library part RC0805FR070RL, Digikey Part Number=311-0.0CRCT-ND, Manufacturer=YAGEO, Rated Voltage=0.125W, Tolerance=0.01, Material=FR-07, Part Number=RC0805FR070RL
R2 R10 R18 R27 R28 R30 R37 R42 R57 R58: library part RC0805FR07680RL, Digikey Part Number=311-680CRCT-ND, Manufacturer=YAGEO, Rated Voltage=0.125W, Tolerance=0.01, Material=FR-07, Part Number=RC0805FR07680RL
R3 R55 R56: library part RC0805FR07510RL, Digikey Part Number=311-510CRCT-ND, Manufacturer=YAGEO, Rated Voltage=0.125W, Tolerance=0.01, Material=FR-07, Part Number=RC0805FR07510RL
R4 R5 R6 R7 R13 R15 R20 R22 R26 R31 R39 R40 R43: library part RC0805FR071K5L, Digikey Part Number=311-1.50KCRCT-ND, Manufacturer=YAGEO, Rated Voltage=0.125W, Tolerance=0.01, Material=FR-07, Part Number=RC0805FR071K5L
R8 R9 R12 R19 R24 R25 R29 R36 R38: library part RC0805FR0720KL, Digikey Part Number=311-20.0KCRCT-ND, Manufacturer=YAGEO, Rated Voltage=0.125W, Tolerance=0.01, Material=FR-07, Part Number=RC0805FR0720KL
R11 R14 R16 R17: library part PWR263S-35-1001J, Digikey Part Number=PWR263S-35-1001J-ND, Manufacturer="Bournes Inc", Rated Voltage=35W, Tolerance=0.05, Part Number=PWR263S-35-1001J
R21: library part RC0805FR0710ML, Digikey Part Number=311-10.0MCRCT-ND, Manufacturer=YAGEO, Rated Voltage=0.125W, Tolerance=0.01, Material=FR-07, Part Number=RC0805FR0710ML
R23 R32 R33 R34 R35: library part RC0805FR0710RL, Digikey Part Number=311-10.0CRCT-ND, Manufacturer=YAGEO, Rated Voltage=0.125W, Tolerance=0.01, Material=FR-07, Part Number=RC0805FR0710RL
R41 R61: library part RC0805FR0720RL, Digikey Part Number=311-20.0CRCT-ND, Manufacturer=YAGEO, Rated Voltage=0.125W, Tolerance=0.01, Material=FR-07, Part Number=RC0805FR0720RL
"R44_U_HV Sense1" "R44_U_HV Sense2" "R45_U_HV Sense1" "R45_U_HV Sense2" "R46_U_HV Sense1" "R46_U_HV Sense2" "R47_U_HV Sense1" "R47_U_HV Sense2": library part MMA02040C3303FB300, Digikey Part Number=MMA-330KACT-ND, Manufacturer="Vishay Beyschlag", Rated Voltage=0.4W, Tolerance=0.01, Part Number=MMA02040C3303FB300
"R48_U_HV Sense1" "R48_U_HV Sense2" R65: library part 3296W-1-103LF, Digikey Part Number=3296W-103LF-ND, Manufacturer="Bournes Inc", Rated Voltage=0.5W, Tolerance=0.1, Part Number=3296W-1-103LF
"R49_U_HV Sense1" "R49_U_HV Sense2" "R50_U_HV Sense1" "R50_U_HV Sense2" R66 R67: library part RC0805FR075K6L, Digikey Part Number=311-5.60KCRCT-ND, Manufacturer=YAGEO, Rated Voltage=0.125W, Tolerance=0.01, Material=FR-07, Part Number=RC0805FR075K6L
"R51_U_HV Sense1" "R51_U_HV Sense2": library part MMA02040C1002FB300, Digikey Part Number=MMA-10KACT-ND, Manufacturer="Vishay Beyschlag", Rated Voltage=0.4W, Tolerance=0.01, Part Number=MMA02040C1002FB300
"R52_U_HV Sense1" "R52_U_HV Sense2" R68: library part RC0805FR0730KL, Digikey Part Number=311-30.0KCRCT-ND, Manufacturer=YAGEO, Rated Voltage=0.125W, Tolerance=0.01, Material=FR-07, Part Number=RC0805FR0730KL
"R53_U_HV Sense1" "R53_U_HV Sense2" R54 R59 R60 R64 R69 R74 R77: library part RC0805FR0710KL, Digikey Part Number=311-10.0KCRCT-ND, Manufacturer=YAGEO, Rated Voltage=0.125W, Tolerance=0.01, Material=FR-07, Part Number=RC0805FR0710KL
R62: library part RC0805FR072KL, Digikey Part Number=311-2.00KCRCT-ND, Manufacturer=YAGEO, Rated Voltage=0.125W, Tolerance=0.01, Material=FR-07, Part Number=RC0805FR072KL
R63 R70 R71 R72 R75 R76: library part RC0805FR075K1L, Digikey Part Number=311-5.10KCRCT-ND, Manufacturer=YAGEO, Rated Voltage=0.125W, Tolerance=0.01, Material=FR-07, Part Number=RC0805FR075K1L
R73: library part RC0805FR073KL, Digikey Part Number=311-3.00KCRCT-ND, Manufacturer=YAGEO, Rated Voltage=0.125W, Tolerance=0.01, Material=FR-07, Part Number=RC0805FR073KL
SERIAL1: library part "TH 2.54mm Header 1x4", Angle=0, Contact=NA, Flange=No, Part Number="TH 2.54mm Header 1x4", Pitch=2.54mm, Positions=4, Row Spacing=2.54mm
STLINK1: library part "TH 2.54mm Header 2x5", Angle=0, Contact=NA, Flange=No, Part Number="TH 2.54mm Header 2x5", Pitch=2.54mm, Positions=10, Row Spacing=2.54mm
U1: "Isolated CAN Transceiver", Digikey Part Number=ADM3053BRWZ-ND, Manufacturer="Analogue Devices", Digikey Link=https://www.digikey.com/product-detail/en/analog-devices-inc/ADM3053BRWZ/ADM3053BRWZ-ND/2709332, Part Number=ADM3053
U2: "100µH @ 100kHz 2 Line Common Mode Choke Surface Mount 5.8 kOhms @ 10MHz 150mA DCR 2Ohm", Digikey Part Number=495-4598-1-ND, Inductance="100µH @ 100kHz", Manufacturer="EPCOS (TDK)", Rated Current=150mA, Digikey Link=https://www.digikey.com/product-detail/en/epcos-tdk/B82787C0104H002/495-4598-2-ND/3680998, Impedence="5.8 kOhms @ 10MHz", Material=Wirewound, Part Number=B82787C0104H002
U3: "Dual Line CAN Bus Protector", Digikey Part Number=NUP2105LT1GOSCT-ND, Manufacturer="ON Semiconductor", Digikey Link=https://www.digikey.com/product-detail/en/on-semiconductor/NUP2105LT1G/NUP2105LT1GOSCT-ND/1485001, Part Number=NUP2105L
U4: "CONV DC/DC 1A 5V OUT SIP VERT", Digikey Part Number=945-1395-5-ND, Manufacturer=Recom, Digikey Link=https://www.digikey.com.au/product-detail/en/recom-power/R-78C5.0-1.0/945-1395-5-ND/2652148, Isolation=Non-Isolated, Part Number=R-78C5.0-1.0
U5: "DC DC CONVERTER 5V 4W", Digikey Part Number=JTC0424S05-ND, Input Voltage=9V-36V, Manufacturer="XP Power", Output Power=4W, Output Voltage=5V, Digikey Link=https://www.digikey.com/products/en?keywords=%20JTC0424S05, Efficiency=0.79, Isolation=Isolated, Part Number=JTC0424S05
U6: "Insulation monitoring device (IMD) for unearthed DC drive systems (IT systems) in electric vehicles.", Manufacturer=Bender, Link=https://www.bender.de/en/products/insulation-monitoring/isometer_ir155-3203ir155-3204, Part Number="BENDER IMD IR155"
U7: "Optoisolator Transistor Output 5000Vrms 4 Channel 16-SMD", Digikey Part Number=160-1371-5-ND, Manufacturer="Lite-On Inc", Digikey Link=https://www.digikey.com.au/product-detail/en/lite-on-inc/LTV-847S/160-1371-5-ND/385841, Part Number=LTV-847S-TA1
U8: "4A Gate Driver Magnetic Coupling 2500Vrms 2 Channel 8-SOIC", Digikey Part Number=ADUM3221ARZ-ND, Manufacturer="Analog Devices", Digikey Link=https://www.digikey.com/product-detail/en/analog-devices-inc/ADUM3221ARZ/ADUM3221ARZ-ND/2616333, Part Number=ADUM3221ARZ
U9 U24: "35V 50ma Optocoupler (VF=1.2V)", Digikey Part Number=160-1893-2-ND, Manufacturer="Lite-On Inc", Digikey Link=https://www.digikey.com/product-detail/en/lite-on-inc/LTV-817S-TA1/160-1893-2-ND/388451, Part Number=LTV-817S-TA1
U10: "RELAY REED HV SPST 200W 3A 5V (NO)", Digikey Part Number=1835-1036-ND, Manufacturer="Comus International", Digikey Link=https://www.digikey.com.au/product-detail/en/comus-international/3350-1275-056/1835-1036-ND/7515918, Part Number=3350-1275-056
"U17_U_HV Sense1" "U17_U_HV Sense2" U22: "16 Bit Analog to Digital Converter 2, 4 Input 1 Sigma-Delta 10-VSSOP", Digikey Part Number=296-38849-1-ND, Manufacturer="Texas Instruments", Digikey Link=https://www.digikey.com/product-detail/en/texas-instruments/ADS1115IDGSR/296-38849-1-ND/5142969, Part Number=ADS1115
"U18_U_HV Sense1" "U18_U_HV Sense2" U23: "I²C Digital Isolator 2500Vrms 2 Channel 25kV/µs CMTI 20-SSOP (0.209\", 5.30mm Width)", Digikey Part Number=ADM3260ARSZ-RL7CT-ND, Manufacturer="Analog Devices", Digikey Link=https://www.digikey.com/product-detail/en/analog-devices-inc/ADM3260ARSZ-RL7/ADM3260ARSZ-RL7CT-ND/5233040, Part Number=ADM3260
U19: "ARM® Cortex®-M3 STM32F1 Microcontroller IC 32-Bit 72MHz 64KB (64K x 8) FLASH", Digikey Part Number=497-6063-ND, Manufacturer=STMicroelectronics, Digikey Link=https://www.digikey.com/product-detail/en/stmicroelectronics/STM32F103C8T6/497-6063-ND/1646338, Part Number=STM32F103C8T6
U20: "IC REG LINEAR 3.3V 300MA SOT23-5", Digikey Part Number=1028-1014-1-ND, Manufacturer=Richtek, Digikey Link=https://www.digikey.com/products/en?keywords=1028-1014-1-ND, Part Number=RT9193-33GB
U21: "IC COMP LO PWR SGL V SOT 23-5L", Digikey Part Number=497-2275-2-ND, Manufacturer=STMicroelectronics, Digikey Link=https://www.digikey.com/product-detail/en/stmicroelectronics/TS391ILT/497-2275-2-ND/599407, Part Number=TS391ILT
X1: library part ABLS-16.000MHZ-B4-T, Digikey Part Number=535-10226-1-ND, Load Capacitance=18pF, Manufacturer="Abracon LLC", Digikey Link=https://www.digikey.com/product-detail/en/abracon-llc/ABLS-16.000MHZ-B4-T/535-10226-1-ND/2184261, ESR=40R, Part Number=ABLS-16.000MHZ-B4-T
X2: library part "FC-135 32.7680KA-A5", Digikey Part Number=SER4103TR-ND, Load Capacitance=12.5pF, Manufacturer=EPSON, Digikey Link=https://www.digikey.com/product-detail/en/epson/FC-135-32.7680KA-A5/SER4103TR-ND/5259895, ESR=70k, Part Number="FC-135 32.7680KA-A5"

## Free pads (board coordinates)
  oval 0x7 hole 4.2 unplated: 0(22.5,14.25) 0(22.5,123.25) 0(152.5,14.25) 0(152.5,123.25)
  round 0 hole 4.2 unplated: 0(22.5,40) 0(22.5,90) 0(95.75,40) 0(95.75,90) 0(152.5,40) 0(152.5,90)

## Via types
v1: diameter 0.55, hole 0.25, Top Layer to Bottom Layer, tented both sides, 349 vias
v2: diameter 0.66, hole 0.33, Top Layer to Bottom Layer, tented both sides, 47 vias
v3: diameter 0.66, hole 0.33, Top Layer to Bottom Layer, 1 vias

## Nets (pads, with @x,y where several pads share a name; then routed paths per layer and width w, separated by ;. In a path a pad name is that pad's centre, name@x,y a point inside that pad or via, vN(x,y) a via of type N, cw(c..) or ccw(c..) an arc to the next point about the centre after c; other vN are vias at no path point)
0V: C14.1 C15.1 U4.2 | length 5.3
  Top Layer w0.254: C14.1@146.874,72.212 146.9,72.238 C15.1@146.9,74.775 147.025,74.9 U4.2@149.6,74.9